# Altium PCB STM32_SIM800.PcbDoc
Units mm, origin at the board's own origin, x right, y up, seen from the top; angles counter-clockwise.
Board outline 67 x 56.5 mm, 2 copper layers (Top Layer, Bottom Layer), stack 1.671 mm thick; 113 components, 82 nets, 357 pads, 41 vias.
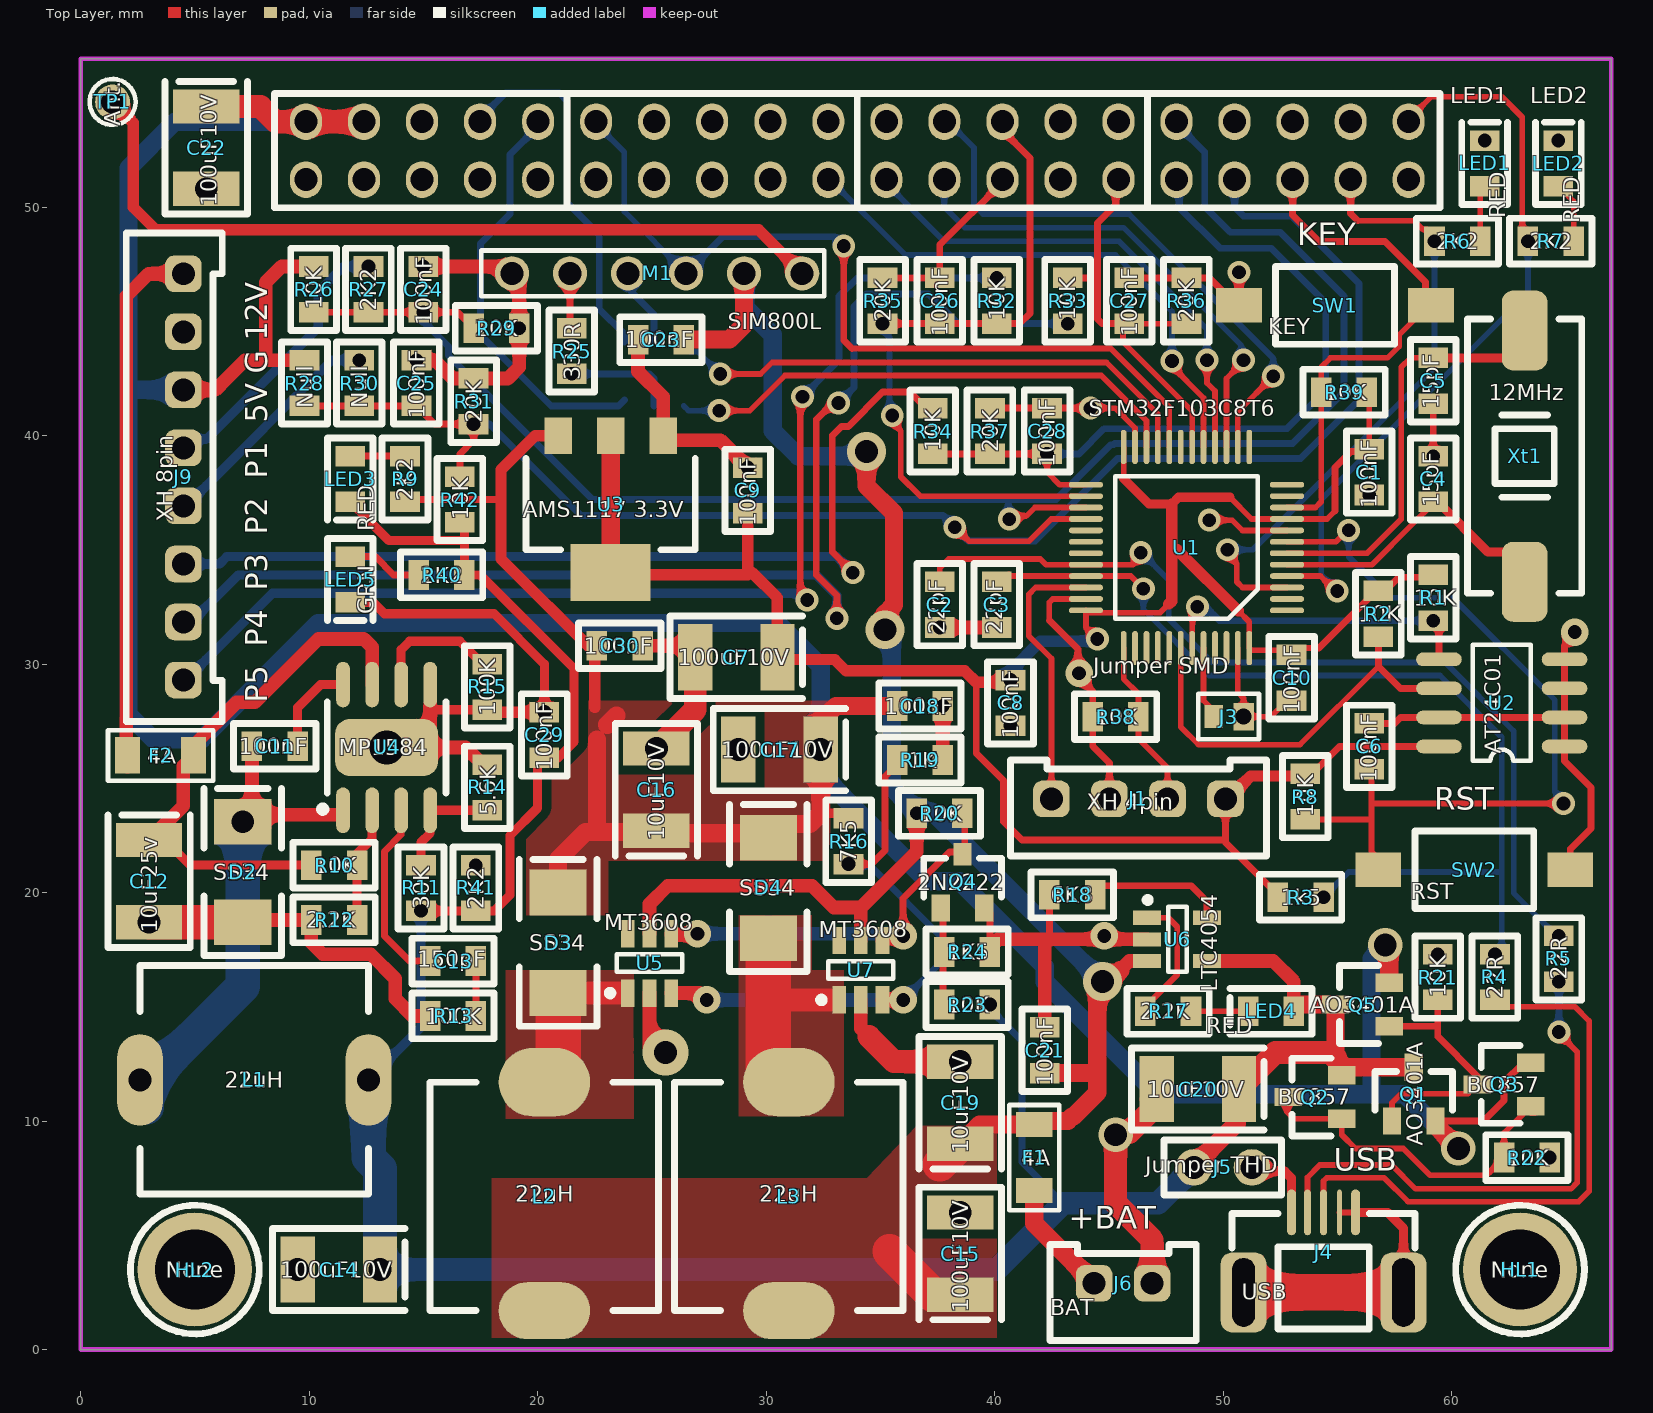
[diagram p0: Top Layer view]
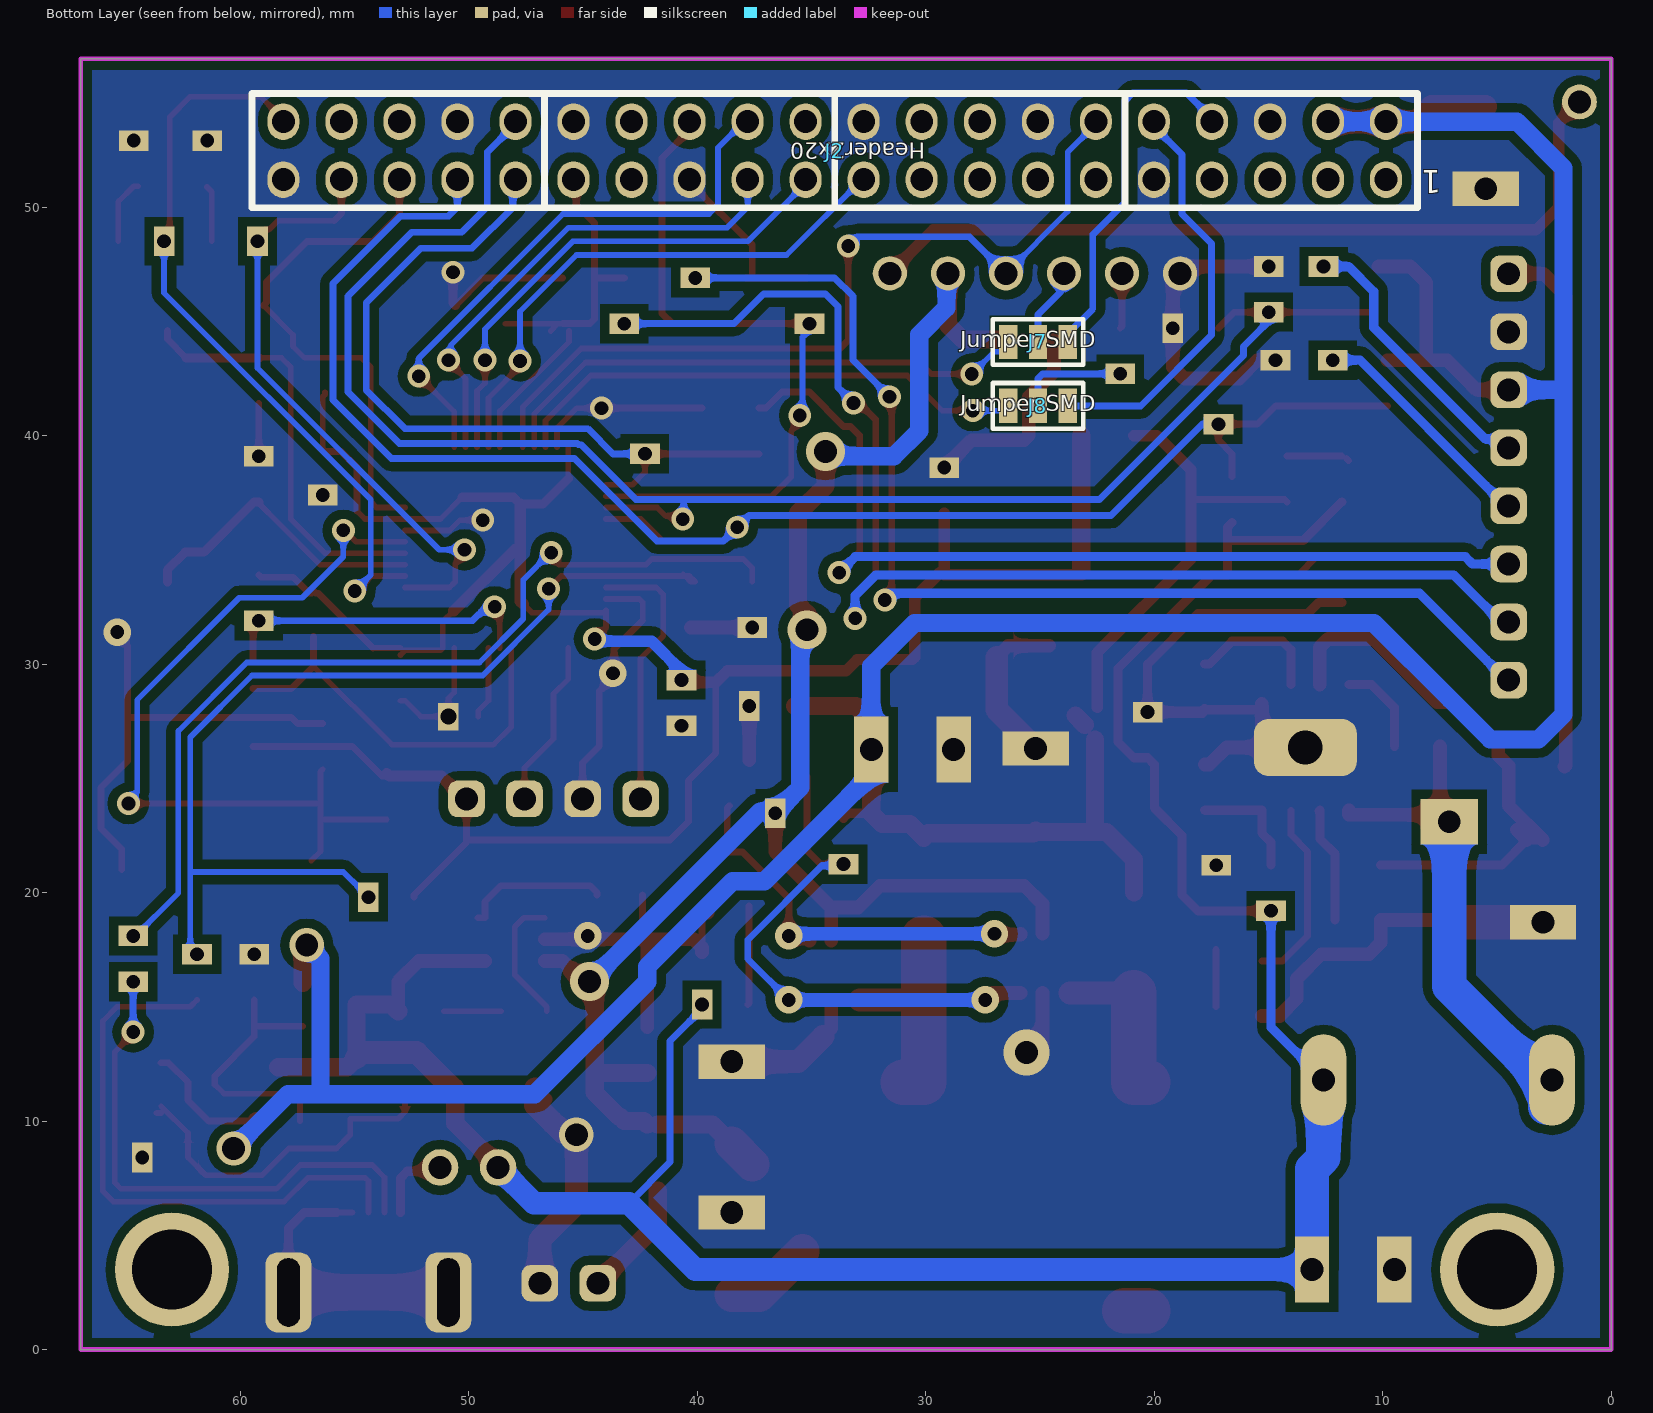
[diagram p1: Bottom Layer view, seen from below]
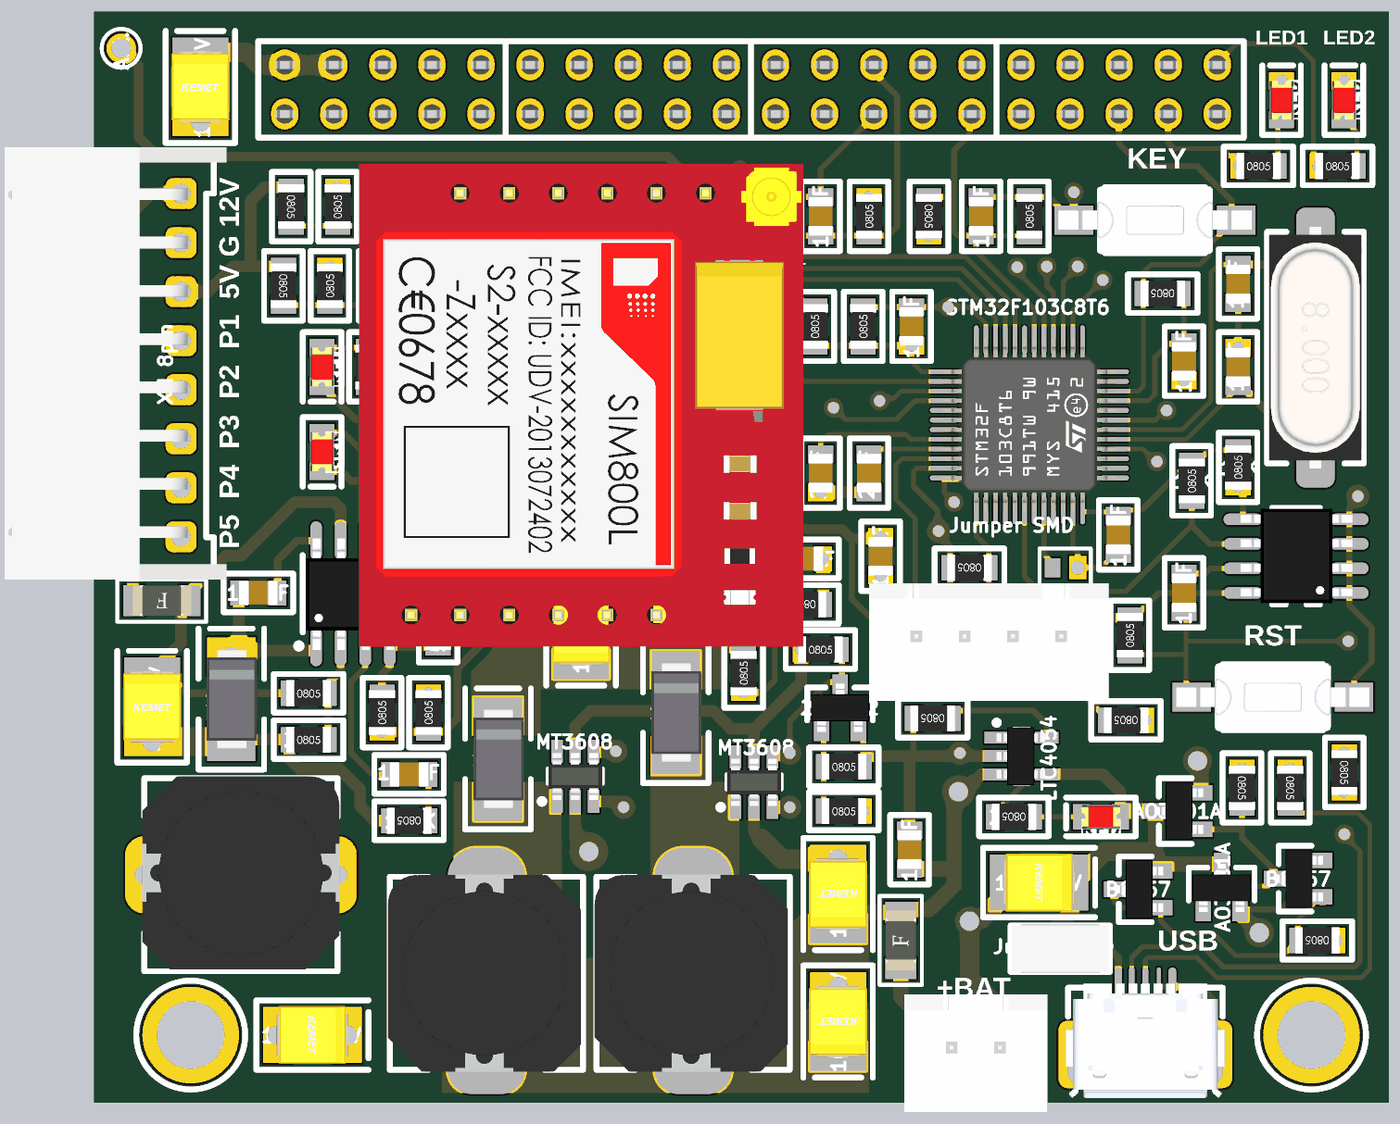
[diagram p2: 3D render of the assembled board from above, using the file's embedded part models]

## Layer stack, top to bottom
Top Solder: solder mask 0.0102, Solder Resist, Dk 3.5
Top Layer: signal copper 0.0356
Dielectric 1: dielectric 1.6, FR-4, Dk 4.8
Bottom Layer: signal copper 0.0356
Bottom Solder: solder mask 0.0102, Solder Resist, Dk 3.5

## Board outline
0,0 0,56.5 67,56.5 67,0

## Design rules (kind name [scope] priority, off if disabled: settings)
Clearance [All] p1: gap=0.3 ignorepadtopadclearanceinfootprint=TRUE except(0.25: Track-Track Track-SMDPad; 0.4: Arc-Poly Track-Poly SMDPad-Poly THPad-Poly Via-Poly Fill-Poly Poly-Poly Poly-Region)
ComponentClearance [All] p1: gap=-10 collisioncheckmode=3 verticalgap=2540 showdistances=FALSE
HoleSize [All] p1: absolutevalues=TRUE maxlimit=5 minlimit=0.5 maxpercent=80.000 minpercent=20.000
MinimumSolderMaskSliver [All] p1: minsoldermaskwidth=0.05
PlaneClearance [All] p1: clearance=0.1
PolygonConnect [All] p1: connectstyle=Direct reliefconductorwidth=0.4 reliefentries=4 polygonreliefangle="90 Angle" airgapwidth=0.254
RoutingVias [All] p1: holewidth=0.6 width=1.2 viastyle="Through Hole" minholewidth=0.5 minwidth=1 maxholewidth=1.5 maxwidth=2
SilkToSilkClearance [All] p1: silktosilkclearance=0.05
SilkToSolderMaskClearance [IsPad] p1: minsilkscreentomaskgap=0.05 clearancetoexposedcopper=TRUE
SolderMaskExpansion [All] p1: expansion=0.102 istentingtop=FALSE
UnRoutedNet [All] p1: checkbadconnections=TRUE
Width [All] p1: maxlimit=2 minlimit=0.25 preferedwidth=0.25
23 further rules are at their usual default settings.

## Components (designator, comment, footprint, x,y, rotation, side; value= is the part's Value field where it differs from the comment)
C1 "100nF" CAP_0805#1 56.4,38.4 r270 top
C2 "22pF" CAP_0805#2 37.6,32.6 r90 top
C3 "22pF" CAP_0805#3 40.1,32.6 r90 top
C4 "15pF" CAP_0805#2 59.2,38.1 r270 top
C5 "15pF" CAP_0805#3 59.2,42.4 r90 top
C6 "100nF" CAP_0805#3 56.4,26.4 r270 top
C7 "100uF10V" Cap_Tan_Size_B#1 28.7,30.3 r0 top
C8 "100nF" CAP_0805#4 40.7,28.3 r90 top
C9 "100nF" CAP_0805#2 29.2,37.6 r270 top
C10 "100nF" CAP_0805#3 53,29.4 r90 top
C11 "100nF" CAP_0805#3 8.5,26.4 r180 top
C12 "10uF25v" Cap_Tan_Size_B#2 3,20.5 r90 top
C13 "150pF" CAP_0805#3 16.3,17 r180 top
C14 "100uF10V" Cap_Tan_Size_B#3 11.3,3.5 r0 top
C15 "100uF10V" Cap_Tan_Size_B#2 38.5,4.2 r270 top
C16 "10uF10V" Cap_Tan_Size_B#2 25.2,24.5 r270 top
C17 "100uF10V" Cap_Tan_Size_B#3 30.59,26.258 r0 top
C18 "100nF" CAP_0805#1 36.736,28.163 r0 top
C19 "10uF10V" Cap_Tan_Size_B#2 38.5,10.8 r270 top
C20 "10uF10V" Cap_Tan_Size_B#1 48.9,11.4 r0 top
C21 "100nF" CAP_0805#3 42.2,13.1 r90 top
C22 "100uF10V" Cap_Tan_Size_B#2 5.5,52.6 r90 top
C23 "100nF" CAP_0805#3 25.4,44.2 r0 top
C24 "100nF" CAP_0805#4 15,46.4 r270 top
C25 "100nF" CAP_0805#2 14.7,42.3 r270 top
C26 "100nF" CAP_0805#3 37.6,45.9 r270 top
C27 "100nF" CAP_0805#3 45.9,45.9 r270 top
C28 "100nF" CAP_0805#2 42.3,40.2 r90 top
C29 "100nF" CAP_0805#2 20.3,26.9 r270 top
C30 "100nF" CAP_0805#3 23.6,30.8 r180 top
D2 "SS34" Diode_SMA#1 7.1,20.9 r90 top
D3 "SS34" Diode_SMA#2 20.9,17.8 r90 top
D4 "SS34" Diode_SMA#2 30.1,20.2 r90 top
F1 "4A" fuse_1206 41.74,8.402 r90 top
F2 "4A" fuse_1206 3.5,26 r180 top
HL1 "None" Holder_hole 63,3.5 r0 top
HL2 "None" Holder_hole 5,3.5 r0 top
J1 "XH 4pin" XH-4pin 46.3,24.1 r0 top
J2 "Header2x20" Header_2x20_female 33.995,52.47 r0 bottom
J3 "Jumper SMD" Jumper_smd 50.25,27.7 r0 top
J4 "USB" Micro_USB_smd 54.4,4.25 r0 top
J5 "Jumper THD" Jumper_2pin 49.995,7.97 r0 top
J6 "BAT" XH-2pin 45.63,2.9 r0 top
J7 "Jumper SMD" Jumper_smd_3pin 25.1,44.1 r0 bottom
J8 "Jumper SMD" Jumper_smd_3pin 25.1,41.3 r0 bottom
J9 "XH 8pin" "XH-8pin - RA" 4.5,38.24 r90 top
L1 "22uH" L_10x10#1 7.6,11.8 r90 top
L2 "22uH" L_10x10#2 20.3,6.7 r180 top
L3 "22uH" L_10x10#2 31,6.7 r180 top
LED1 "RED" LED_0805_Red#1 61.451,51.912 r90 top
LED2 "RED" LED_0805_Red#1 64.676,51.912 r90 top
LED3 "RED" LED_0805_Red#2 11.8,38.1 r270 top
LED4 "RED" LED_0805_Red#2 52.1,14.8 r180 top
LED5 "GRN" LED_0805_Red#2 11.8,33.7 r270 top
M1 "SIM800L" SIM800L 23.935,36.175 r90 top locked
Q1 "AO3401A" "SOT23 - P-Channel" 58.35,11.175 r0 top
Q2 "BC857" SOT23-PNP 54.025,11.05 r90 top
Q3 "BC857" SOT23-PNP 62.3,11.6 r90 top
Q4 "2N2222" SOT23-NPN 38.6,20.5 r0 top
Q5 "AO3401A" "SOT23 - P-Channel" 56.1,15.1 r90 top
R1 "10K" RES_0805#1 59.2,32.9 r90 top
R2 "10K" RES_0805#2 56.8,32.2 r90 top
R3 "1k5" RES_0805#1 53.4,19.8 r180 top
R4 "22R" RES_0805#1 61.9,16.3 r270 top
R5 "22R" RES_0805#3 64.7,17.1 r270 top
R6 "2K2" RES_0805#1 60.257,48.509 r0 top
R7 "2K2" RES_0805#1 64.346,48.509 r0 top
R8 "10K" RES_0805#2 53.6,24.2 r90 top
R9 "2K2" RES_0805#2 14.2,38.1 r270 top
R10 "10K" RES_0805#2 11.1,21.2 r0 top
R11 "30K" RES_0805#1 14.9,20.2 r90 top
R12 "2.2K" RES_0805#2 11.1,18.8 r0 top
R13 "100K" RES_0805#2 16.3,14.6 r180 top
R14 "5.6K" RES_0805#2 17.8,24.6 r270 top
R15 "100K" RES_0805#2 17.8,29 r90 top
R16 "7K5" RES_0805#1 33.612,22.245 r90 top
R17 "2.2K" RES_0805#2 47.6,14.8 r180 top
R18 "6K8" RES_0805#2 43.4,19.9 r180 top
R19 "1K" RES_0805#2 36.736,25.801 r180 top
R20 "10K" RES_0805#1 37.591,23.464 r0 top
R21 "10K" RES_0805#1 59.4,16.3 r270 top
R22 "10K" RES_0805#1 63.3,8.4 r180 top
R23 "10K" RES_0805#4 38.8,15.1 r0 top
R24 "1K5" RES_0805#2 38.8,17.4 r0 top
R25 "330R" RES_0805#1 21.5,43.7 r90 top
R26 "10K" RES_0805#2 10.2,46.4 r270 top
R27 "2K2" RES_0805#4 12.6,46.4 r90 top
R28 "Null" RES_0805#2 9.8,42.3 r270 top
R29 "20K" RES_0805#4 18.2,44.7 r0 top
R30 "Null" RES_0805#4 12.2,42.3 r90 top
R31 "20K" RES_0805#1 17.2,41.5 r90 top
R32 "10K" RES_0805#4 40.1,45.9 r90 top
R33 "10K" RES_0805#4 43.2,45.9 r270 top
R34 "10K" RES_0805#2 37.3,40.2 r90 top
R35 "20K" RES_0805#1 35.1,45.9 r90 top
R36 "20K" RES_0805#2 48.4,45.9 r90 top
R37 "20K" RES_0805#2 39.8,40.2 r90 top
R38 "10K" RES_0805#2 45.3,27.7 r180 top
R39 "10K" RES_0805#2 55.3,41.9 r180 top
R40 "2K2" RES_0805#2 15.8,33.9 r0 top
R41 "2K2" RES_0805#4 17.3,20.2 r90 top
R42 "10K" RES_0805#2 16.6,37.2 r270 top
SW1 "KEY" Tact_SW_SMD 54.9,45.7 r0 top
SW2 "RST" Tact_SW_SMD 61,21 r0 top
TP1 "Ant." TP 1.4,54.6 r0 top
U1 "STM32F103C8T6" STM32F103C8-LQFP-48 48.4,35.1 r180 top
U2 "AT24C01" AT24C01_SOP8 62.2,28.3 r180 top
U3 "AMS1117 3.3V" AMS1117-SOT223 23.2,37 r180 top
U4 "MP1584" MP1584-SOP8 13.395,26.35 r90 top
U5 "MT3608" MT3608_SOT23-6 24.9,16.9 r90 top
U6 "LTC4054" LTC4054-4.2_SOT23-5 47.99,17.95 r0 top
U7 "MT3608" MT3608_SOT23-6 34.15,16.6 r90 top
Xt1 "12MHz" Xtal_SMD 63.2,39.1 r90 top

## Footprints (in the part's own frame and the unit in brackets; to place one, negate y for a bottom-side part, rotate by r counter-clockwise, add the part's x,y. Pads: shape width x height; smd on the part's side, far side on the other; paste and mask are expansions set on the pad)
AMS1117-SOT223 [mm] "AMS1117 - SOT223"
  rect 1.2x1.6 smd mask+0.102: Gnd_Adj(-2.3,-3) In(2.3,-3) Out(0,-3)
  rect 3.5x2.5 smd mask+0.102: Out(0,3)
  Top Layer lines w0.8: 0,2.95 0,-3
  silkscreen extent -3.7,-2 3.7,2, body extent -3.25,-3.52 3.25,3.48, height 1.66
AT24C01_SOP8 [mm] "EEPROM AT24CXX"
  oval 2x0.6 smd: A0(-2.75,1.905) A1(-2.75,0.635) A2(-2.75,-0.635) Gnd(-2.75,-1.905) SCL(2.75,-0.635) SDA(2.75,-1.905) Vcc(2.75,1.905) WP(2.75,0.635)
  silkscreen extent -1.27,-2.54 1.28,2.54, body extent -2.91,-2.46 2.87,2.44, height 1.36
CAP_0805#1 [mm] "Capacitor SMD 0805"
  rect 0.9x1.3 smd mask+0.102: 1(-1,0)
  rect 0.9x1.3 hole 0.6: 2(1,0)
  silkscreen extent -1.8,-1 1.8,1, body extent -1,-0.62 1,0.63, height 1
CAP_0805#2 [mm] "Capacitor SMD 0805"
  rect 0.9x1.3 hole 0.6 mask+0.102: 1(-1,0)
  rect 0.9x1.3 smd: 2(1,0)
  silkscreen extent -1.8,-1 1.8,1, body extent -1,-0.62 1,0.63, height 1
CAP_0805#3 [mm] "Capacitor SMD 0805"
  rect 0.9x1.3 smd mask+0.102: 1(-1,0)
  rect 0.9x1.3 smd: 2(1,0)
  silkscreen extent -1.8,-1 1.8,1, body extent -1,-0.62 1,0.63, height 1
CAP_0805#4 [mm] "Capacitor SMD 0805"
  rect 0.9x1.3 hole 0.6 mask+0.102: 1(-1,0)
  rect 0.9x1.3 hole 0.6: 2(1,0)
  silkscreen extent -1.8,-1 1.8,1, body extent -1,-0.62 1,0.63, height 1
Cap_Tan_Size_B#1 [mm] "Capacitor Tantalium Size B"
  rect 1.5x2.9 smd: +(1.8,0)
  rect 1.5x2.9 smd mask+0.102: -(-1.8,0)
  silkscreen extent -2.9,-1.8 2.9,1.8, body extent -1.85,-1.5 1.85,1.5, height 2.11
Cap_Tan_Size_B#2 [mm] "Capacitor Tantalium Size B"
  rect 1.5x2.9 smd: +(1.8,0)
  rect 1.5x2.9 hole 1 mask+0.102: -(-1.8,0)
  silkscreen extent -2.9,-1.8 2.9,1.8, body extent -1.85,-1.5 1.85,1.5, height 2.11
Cap_Tan_Size_B#3 [mm] "Capacitor Tantalium Size B"
  rect 1.5x2.9 hole 1: +(1.8,0)
  rect 1.5x2.9 hole 1 mask+0.102: -(-1.8,0)
  silkscreen extent -2.9,-1.8 2.9,1.8, body extent -1.85,-1.5 1.85,1.5, height 2.11
Diode_SMA#1 [mm] "Diode SMA"
  rect 2x2.5 smd: A(-2.2,0)
  rect 2x2.5 hole 1: K(2.2,0)
  silkscreen extent -3.65,-1.7 3.65,1.7, body extent -2.6,-1.33 2.6,1.27, height 2.42
Diode_SMA#2 [mm] "Diode SMA"
  rect 2x2.5 smd: A(-2.2,0) K(2.2,0)
  silkscreen extent -3.65,-1.7 3.65,1.7, body extent -2.6,-1.33 2.6,1.27, height 2.42
fuse_1206 [mm] "Fuse SMD 1206"
  rect 1.1x1.6 smd: 1(-1.45,0) 2(1.45,0)
  silkscreen extent -2.3,-1.1 2.3,1.1, body extent -1.55,-0.77 1.55,0.78, height 0.61
Header_2x20_female [mm] "Header 2x20 Female, Pitch=2.54"
  oval 1.4x1.6 hole 1: 1(-24.13,1.27) 2(-24.13,-1.27) 3(-21.59,1.27) 4(-21.59,-1.27) 5(-19.05,1.27) 6(-19.05,-1.27) 7(-16.51,1.27) 8(-16.51,-1.27) 9(-13.97,1.27) 10(-13.97,-1.27) 11(-11.43,1.27) 12(-11.43,-1.27) 13(-8.89,1.27) 14(-8.89,-1.27) 15(-6.35,1.27) 16(-6.35,-1.27) 17(-3.81,1.27) 18(-3.81,-1.27) 19(-1.27,1.27) 20(-1.27,-1.27) 21(1.27,1.27) 22(1.27,-1.27) 23(3.81,1.27) 24(3.81,-1.27) 25(6.35,1.27) 26(6.35,-1.27) 27(8.89,1.27) 28(8.89,-1.27) 29(11.43,1.27) 30(11.43,-1.27) 31(13.97,1.27) 32(13.97,-1.27) 33(16.51,1.27) 34(16.51,-1.27) 35(19.05,1.27) 36(19.05,-1.27) 37(21.59,1.27) 38(21.59,-1.27) 39(24.13,1.27) 40(24.13,-1.27)
  silkscreen extent -25.5,-2.5 25.5,2.5, body extent -25.4,-2.54 25.4,2.54, height 8.5
Holder_hole [mm] "PCB Holder"
  round 5 hole 3.5: 1(0,0)
  silkscreen extent -2.81,-2.82 2.82,2.82
Jumper_2pin [mm] "Pin Header + Jumper 2 pin pitch=2.54mm"
  round 1.6 hole 1: 1(-1.27,0) 2(1.27,0)
  silkscreen extent -2.57,-1.2 2.57,1.2, body extent -2.5,-1.27 2.5,1.27, height 9.5
Jumper_smd [mm] "Smd Jumper"
  rect 0.8x1 smd: 1(-0.65,0)
  rect 0.9x1.2 hole 0.7: 2(0.65,0)
  silkscreen extent -1.33,-1 1.33,1
Jumper_smd_3pin [mm] "Smd Jumper 3 pin"
  rect 0.8x1.5 smd: 1(-1.3,0) 2(0,0) 3(1.3,0)
  silkscreen extent -1.97,-1 1.97,1
L_10x10#1 [mm] "Inductor Power"
  oval 4x2 hole 1: 1(0,5) 2(0,-5)
  silkscreen extent -5,-5 5,5, body extent -4.9,-5.11 5.1,5.11, height 3.8
L_10x10#2 [mm] "Inductor Power"
  oval 4x2.5 smd: 1(0,5)
  oval 4x3 smd: 2(0,-5)
  silkscreen extent -5,-5 5,5, body extent -4.9,-5.11 5.1,5.11, height 3.8
LED_0805_Red#1 [mm] "LED SMD 0805 Red"
  rect 0.9x1.3 smd mask+0.102: 1(-1,0)
  rect 0.9x1.3 hole 0.6: 2(1,0)
  silkscreen extent -1.8,-1 1.8,1, body extent -1.01,-0.62 1.01,0.63, height 1.1
LED_0805_Red#2 [mm] "LED SMD 0805 Red"
  rect 0.9x1.3 smd mask+0.102: 1(-1,0)
  rect 0.9x1.3 smd: 2(1,0)
  silkscreen extent -1.8,-1 1.8,1, body extent -1.01,-0.62 1.01,0.62, height 1.1
LTC4054-4.2_SOT23-5 [mm] "Li-Ion Battery charger"
  rect 1.22x0.62 smd: BAT(-1.31,-0.95) CHRG(-1.31,0.95) GND(-1.31,0) PROG(1.31,0.95) VCC(1.31,-0.95)
  silkscreen extent -1.4,-1.43 0.42,1.84, body extent -1.29,-1.5 1.22,1.5, height 1.11
Micro_USB_smd [mm] "Micro USB SMD Connector"
  oval 0.3x2 smd: DM(-0.7,1.75) DP(0,1.75)
  rrect50% 2x3.5 hole 1 slot 3 at 90 deg: G(-3.5,-1.75) G(3.5,-1.75)
  oval 0.4x2 smd: Gnd(1.4,1.75) VUSB(-1.4,1.75)
  oval 0.2x2 smd: ID(0.7,1.75)
  Top Layer lines w1.6: -3.5,-1.75 3.5,-1.75
  silkscreen extent -4,-3.35 4,1.7, body extent -4.1,-4.02 4.1,1.92, height 2.74
MP1584-SOP8 [mm] "MP1584"
  oval 2x0.6 smd: BST(2.75,1.905) COMP(-2.75,-0.635) EN(-2.75,0.635) FB(-2.75,-1.905) FREQ(2.75,-0.635) GND(2.75,-1.905) SW(-2.75,1.905) VIN(2.75,0.635)
  rrect50% 2.5x4.5 hole 1.5: GND_E(0,0)
  silkscreen extent -2.84,-2.6 2,2.94, body extent -2.91,-2.46 2.87,2.44, height 1.36
MT3608_SOT23-6 [mm] "MT3608"
  rect 1.2x0.6 smd: EN(1.3,-0.95) FB(-1.3,-0.95) GND(-1.3,0) IN(1.3,0) NC(1.3,0.95) SW(-1.3,0.95)
  silkscreen extent -1.42,-1.43 0.4,1.85, body extent -1.23,-1.4 1.2,1.4, height 1.09
RES_0805#1 [mm]
  rect 0.9x1.3 hole 0.6 mask+0.102: 1(-1,0)
  rect 0.9x1.3 smd: 2(1,0)
  silkscreen extent -1.8,-1 1.8,1, body extent -1.15,-0.67 1.15,0.68, height 0.72
RES_0805#2 [mm]
  rect 0.9x1.3 smd mask+0.102: 1(-1,0)
  rect 0.9x1.3 smd: 2(1,0)
  silkscreen extent -1.8,-1 1.8,1, body extent -1.15,-0.67 1.15,0.68, height 0.72
RES_0805#3 [mm]
  rect 0.9x1.3 hole 0.6 mask+0.102: 1(-1,0)
  rect 0.9x1.3 hole 0.6: 2(1,0)
  silkscreen extent -1.8,-1 1.8,1, body extent -1.15,-0.67 1.15,0.67, height 0.72
RES_0805#4 [mm]
  rect 0.9x1.3 smd mask+0.102: 1(-1,0)
  rect 0.9x1.3 hole 0.6: 2(1,0)
  silkscreen extent -1.8,-1 1.8,1, body extent -1.15,-0.67 1.15,0.68, height 0.72
SIM800L [mm] "SIM800L Module"
  round 1.5 hole 1: ANT(10.925,-7.645) GND(10.925,5.055) RST(10.925,-2.565) RXD(10.925,-0.025) TXD(10.925,2.515) VCC(10.925,-5.105)
  silkscreen extent 9.92,-8.6 11.93,6.4, body extent -12.56,-12.9 12.44,10.24, height 6.85
"SOT23 - P-Channel" [mm] "P-Channel Mosfet SOT23"